# Altium PCB Fri3D_IRA_02.PcbDoc (part 2 of 2)
Units mm, origin at the board's own origin, x right, y up, seen from the top; angles counter-clockwise.
Board outline 68.5 x 67.5 mm, 2 copper layers (Top Layer, Bottom Layer), stack 1.571 mm thick; 98 components, 74 nets, 350 pads, 73 vias.
Unrouted connection lines stored in the file: 3.
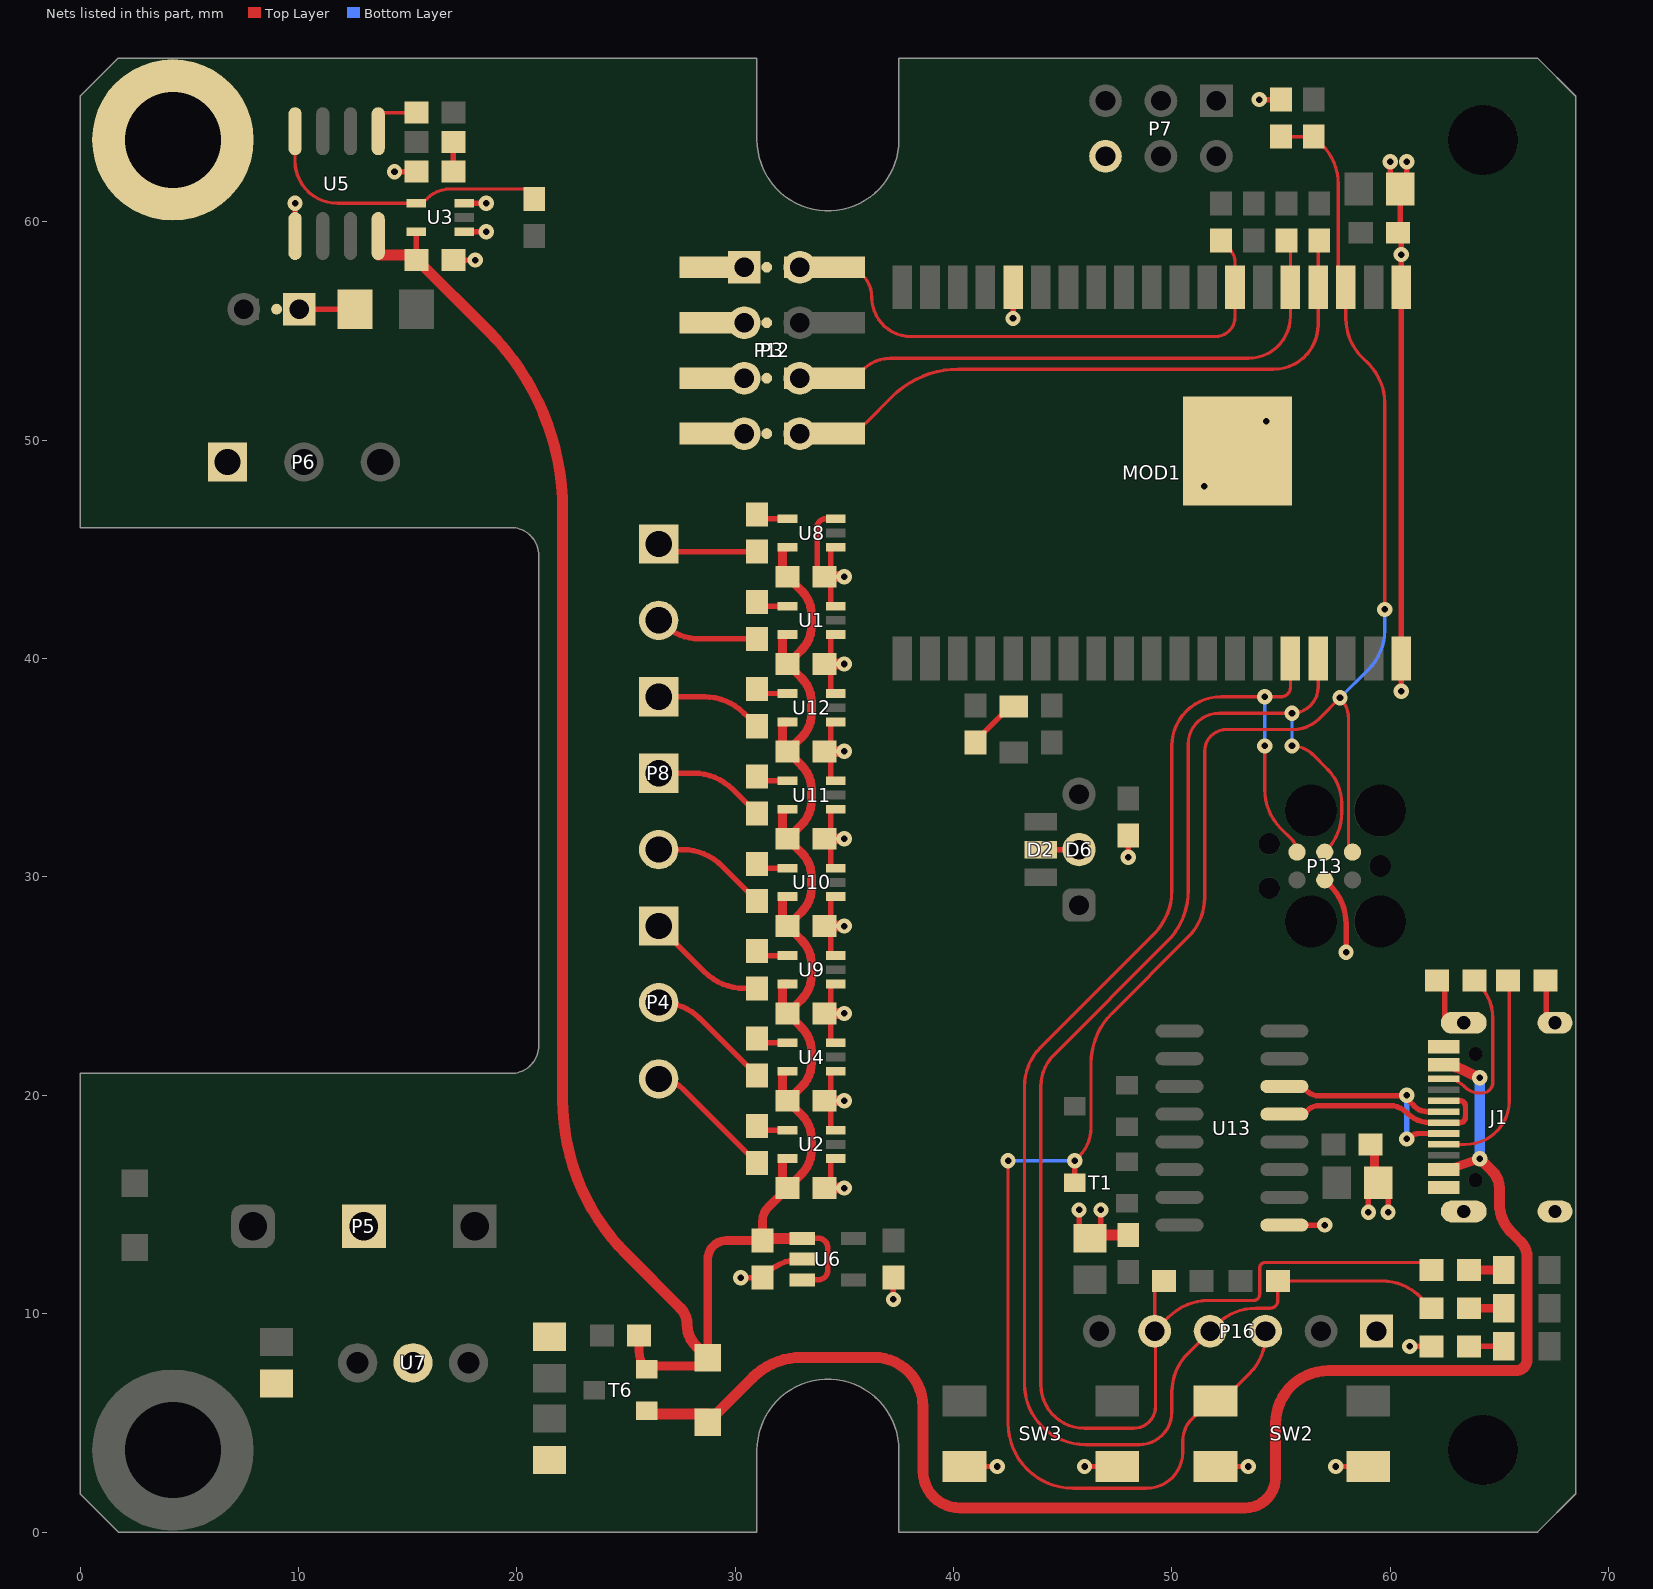
[diagram p2: the nets of this part, all layers, seen from the top]

## Via types
v1: diameter 0.7, hole 0.3, Top Layer to Bottom Layer, tented top, 73 vias

## Nets (pads, with @x,y where several pads share a name; then routed paths per layer and width w, separated by ;. In a path a pad name is that pad's centre, name@x,y a point inside that pad or via, vN(x,y) a via of type N, cw(c..) or ccw(c..) an arc to the next point about the centre after c; other vN are vias at no path point) (continued)
ESP.IO35: MOD1.7 P3.2 P11.2 P12.2 R6.2 | length 24.6
  Top Layer w0.15: P12.2@34.4,57.92 34.986,57.92 cw(c34.986,56.727) 35.829,57.571 cw(c34.793,56.534) 36.259,56.534 ccw(c38.043,56.534) 38.043,54.75 52,54.75 ccw(c52,55.638) 52.888,55.638 MOD1.7@52.888,57 52.888,58.15 ccw(c52.014,58.15) 52.781,58.569 ccw(c52.014,58.15) 52.632,58.768 R6.2@52.25,59.15
ESP.IO36: MOD1.4 P3.8 P12.8 P19.2 pad.0@34.4,50.3 R17.2 | length 29.7
  Top Layer w0.15: P3.8@32.96,50.3 P12.8@34.4,50.3 34.793,50.3 ccw(c34.793,52.007) 36,50.8 37.206,52.006 cw(c40.209,49.003) 40.209,53.25 54.658,53.25 ccw(c54.658,55.29) 56.698,55.29 MOD1.4@56.698,57 56.698,59.098 R17.2@56.75,59.15
ESP.IO39: MOD1.5 P3.6 P12.6 P18.2 R12.2 | length 25.9
  Top Layer w0.15: P12.6@34.4,52.84 34.903,52.84 ccw(c34.903,54.205) 35.869,53.24 cw(c37.1,52.008) 37.1,53.75 53.5,53.75 ccw(c53.5,55.678) 55.428,55.678 MOD1.5@55.428,57 55.428,58.972 R12.2@55.25,59.15
ESP.RESET: C8.1 MOD1.3 P13.1 P16.3 R8.2 SW2.1 T1.3 | length 98.3
  Top Layer w0.15: v1(42.5,17) 42.5,4.984 ccw(c45.484,4.984) 45.484,2 48.838,2 ccw(c48.838,3.662) 50.5,3.662 50.5,4.158 cw(c51.966,4.158) 50.929,5.194 51.548,5.813 cw(c52,5.361) SW2.1@52,6 52.3,6 53.546,7.246 ccw(c51.75,9.042) 54.29,9.042 P16.3@54.29,9.2 ; v1(45.55,17) 45.756,17.206 ccw(c44.443,18.519) 46.3,18.519 46.3,21.465 cw(c49.523,21.465) 47.244,23.744 50.756,27.256 ccw(c48.96,29.052) 51.5,29.052 51.5,35.75 cw(c52.5,35.75) 52.5,36.75 55.551,36.75 ccw(c55.551,38.437) 56.748,37.248 v1(57.7,38.2) cw(c56.754,37.254) 58.092,37.254 58.092,31.564 ccw(c58.7,31.564) P13.1@58.27,31.135 ; C8.1@55,63.9 R8.2@56.5,63.9 56.881,63.519 cw(c55.085,61.723) 57.5,62.51 cw(c55.085,61.723) 57.625,61.723 57.625,57.828 ccw(c58.796,57.828) 57.75,57.302 ccw(c58.796,57.828) MOD1.3@57.968,57 57.968,55.584 ccw(c60.508,55.584) 58.712,53.788 59.006,53.494 cw(c57.21,51.698) 59.75,51.698 v1(59.75,42.25)
  Top Layer w0.25: T1.3@45.55,16 v1(45.55,17)
  Bottom Layer w0.15: v1(42.5,17) v1(45.55,17) ; v1(57.7,38.2) 59.006,39.506 ccw(c57.21,41.302) 59.75,41.302 v1(59.75,42.25)
ESP.RXD0: MOD1.34 P13.5 P16.4 R14.2 R26.2 | length 73.1
  Top Layer w0.15: v1(54.25,36) 54.25,34.014 ccw(c56.79,34.014) 54.994,32.218 55.484,31.728 cw(c54.891,31.135) P13.5@55.73,31.135 ; MOD1.34@55.428,40 55.428,38.683 cw(c54.995,38.683) 54.995,38.25 v1(54.25,38.25) 52.25,38.25 ccw(c52.25,36) 50,36 50,29.363 cw(c47.21,29.363) 49.183,27.39 43.994,22.201 ccw(c45.79,20.405) 43.25,20.405 43.25,6.79 ccw(c46.04,6.79) 46.04,4 48.5,4 ccw(c48.5,5.5) 50,5.5 50,6.398 cw(c52.54,6.398) 50.744,8.194 P16.4@51.75,9.2 52.056,9.506 cw(c53.852,7.71) 53.852,10.25 54.5,10.25 ccw(c54.5,10.6) 54.85,10.6 R14.2@54.85,11.5 59.598,11.5 cw(c59.598,8.96) 61.394,10.756 R26.2@61.9,10.25
  Bottom Layer w0.15: v1(54.25,36) v1(54.25,38.25)
ESP.TXD0: MOD1.35 P13.3 P16.5 R15.2 R20.2 | length 76.2
  Top Layer w0.15: R15.2@49.65,11.5 ccw(c49.65,11.06) 49.21,11.06 P16.5@49.21,9.2 ; v1(55.5,36) cw(c55.5,34.661) 56.447,35.608 57.127,34.928 cw(c55.547,33.348) 57.782,33.348 57.782,32.968 cw(c55.242,32.968) 57.038,31.172 P13.3@57,31.135 ; MOD1.35@56.698,40 56.698,38.698 cw(c55.5,38.698) v1(55.5,37.5) 52.164,37.5 ccw(c52.164,36.086) 50.75,36.086 50.75,29.378 cw(c47.423,29.378) 49.776,27.026 44.59,21.84 ccw(c46.015,20.416) 44,20.416 44,6.75 ccw(c46,6.75) 46,4.75 48.25,4.75 ccw(c48.25,5.75) 49.25,5.75 49.25,9.16 P16.5@49.21,9.2 ; R20.2@61.9,12 ccw(c61.552,12) 61.552,12.347 54.278,12.347 ccw(c54.278,12.089) 54.02,12.089 54.02,10.892 cw(c53.727,10.892) 53.727,10.599 51.662,10.599 ccw(c51.662,8.059) 49.866,9.856 P16.5@49.21,9.2
  Bottom Layer w0.15: v1(55.5,36) v1(55.5,37.5)
GND: C1.2 C2.2 C3.2 C4.2 C5.2 C6.2 C7.2 C8.2 C9.2 C10.2 C11.2 C12.2 C13.2 C14.1 C15.2 C16.2 C17.2 C18.2 C19.2 C20.2 C21.2 C22.1 D2.2 D6.2 J1.A1 J1.A12 J1.B1 J1.B12 J1.MH1 J1.MH2 J1.MH3 J1.MH4 M2.1 MOD1.1 MOD1.15 MOD1.38 MOD1.39 P3.1 P3.3 P3.5 P3.7 P5.2 P6.1 P7.6 P9.1 P11.1 P12.1 P12.3 P12.5 P12.7 P13.4 P16.1 P17.1 P18.1 P19.1 pad.0@29,50.3 R5.2 R16.2 R27.2 R28.2 SW2.2 SW3.2 U1.1 U1.3 U2.1 U2.3 U3.1 U3.3 U4.1 U4.3 U5.5 U6.2 U7.2 U8.1 U8.3 U9.1 U9.3 U10.1 U10.3 U11.1 U11.3 U12.1 U12.3 U13.1 | length 104.8
  Top Layer w0.25: U5.5@9.845,59.35 v1(9.845,60.85) ; v1(14.4,62.3) R5.2@15.4,62.3 ; C5.2@17.1,58.25 v1(18.1,58.25) ; U3.1@17.6,59.55 v1(18.6,59.55) ; U3.3@17.6,60.85 v1(18.6,60.85) ; v1(30.25,11.65) C18.2@31.25,11.65 31.41,11.81 cw(c33.075,10.146) U6.2@33.075,12.5 ; C3.2@34.1,15.75 34.379,15.75 34.379,17.1 U2.1@34.6,17.1 ; C4.2@34.1,19.75 34.379,19.75 34.379,18.4 U2.3@34.6,18.4 ; C4.2@34.1,19.75 34.379,19.75 34.379,21.1 U4.1@34.6,21.1 ; C2.2@34.1,39.75 34.379,39.75 34.379,38.4 U12.3@34.6,38.4 ; C2.2@34.1,39.75 34.379,39.75 34.379,41.1 U1.1@34.6,41.1 ; U4.3@34.6,22.4 34.379,22.4 C12.2@34.379,23.75 ; U9.1@34.6,25.1 34.379,25.1 C12.2@34.379,23.75 ; U9.3@34.6,26.4 34.379,26.4 C16.2@34.379,27.75 ; U10.1@34.6,29.1 34.379,29.1 C16.2@34.379,27.75 ; U10.3@34.6,30.4 34.379,30.4 C17.2@34.379,31.75 ; U11.1@34.6,33.1 34.379,33.1 C17.2@34.379,31.75 ; U11.3@34.6,34.4 34.379,34.4 C20.2@34.379,35.75 ; U12.1@34.6,37.1 34.379,37.1 C20.2@34.379,35.75 ; U1.3@34.6,42.4 34.379,42.4 C11.2@34.379,43.75 ; U8.1@34.6,45.1 34.379,45.1 C11.2@34.379,43.75 ; U8.3@34.6,46.4 34.15,46.4 ccw(c34.15,46) 33.75,46 33.75,43.75 C11.2@34.1,43.75 ; v1(37.25,10.65) C19.2@37.25,11.65 ; SW3.2@40.5,3 v1(42,3) ; v1(42.725,55.575) 42.728,55.578 MOD1.15@42.728,57 ; D2.2@44,31.25 D6.2@45.75,31.25 ; v1(45.75,14.75) 45.75,13.75 C14.1@46.029,13.471 ; v1(46,3) SW3.2@47.5,3 ; C14.1@46.25,13.45 46.4,13.6 46.75,13.95 v1(46.75,14.75) ; v1(48,30.9) C7.2@48,31.9 ; SW2.2@52,3 v1(53.5,3) ; v1(54,65.6) C8.2@55,65.6 ; U13.1@55.15,14.055 v1(57,14.055) ; P13.4@57,29.865 57.233,29.631 cw(c55.437,27.835) 57.977,27.835 v1(57.977,26.555) ; v1(57.5,3) SW2.2@59,3 ; v1(59,14.65) 59,15.55 C22.1@59.45,16 ; C22.1@59.284,16.166 C22.1@59.45,16 ; v1(59.9,14.65) 59.9,15.55 C22.1@59.45,16 ; v1(60,62.75) C10.2@60,61.75 ; C10.2@60.427,61.573 ccw(c60,61.146) C10.2@60,61.75 ; C10.2@60.427,61.573 60.5,61.5 60.75,61.75 v1(60.75,62.75) ; v1(60.508,38.5) MOD1.38@60.508,40 MOD1.1@60.508,57 v1(60.508,58.5) 60.508,59.118 ccw(c59.968,59.118) C9.2@60.35,59.5 ccw(c60.108,59.742) 60.45,59.742 C10.2@60.45,61.5 60.341,61.609 ccw(c60,61.267) C10.2@60,61.75 ; v1(60.9,8.5) R16.2@61.9,8.5 ; R28.2@62.15,25.25 62.5,24.9 62.5,23.32 J1.MH4@63.118,23.32 ; R27.2@67.15,25.2 67.15,23.676 ccw(c67.653,23.676) J1.MH3@67.298,23.32 ; C11.2@34.1,43.75 C11.2@34.379,43.75 ; C11.2@34.1,43.75 C11.2@34.379,43.75 ; C12.2@34.379,23.75 C12.2@34.1,23.75 C12.2@34.379,23.75 ; C16.2@34.379,27.75 C16.2@34.1,27.75 C16.2@34.379,27.75 ; C17.2@34.379,31.75 C17.2@34.1,31.75 C17.2@34.379,31.75 ; C20.2@34.379,35.75 C20.2@34.1,35.75 C20.2@34.379,35.75
  Top Layer w0.4: C21.2@59.1,17.75 59.284,17.75 C22.1@59.284,16.166
  Top Layer w0.5: C3.2@34.1,15.75 v1(35,15.75) ; C4.2@34.379,19.75 v1(35,19.75) ; C12.2@34.379,23.75 v1(35,23.75) ; C16.2@34.379,27.75 v1(35,27.75) ; C17.2@34.379,31.75 v1(35,31.75) ; C20.2@34.379,35.75 v1(35,35.75) ; C2.2@34.379,39.75 v1(35,39.75) ; C11.2@34.379,43.75 v1(35,43.75) ; C14.1@46.25,13.45 cw(c46.4,13.45) 46.4,13.6 C13.2@48,13.6
  other v1: 51.475,47.9 54.325,50.875
LED.DOUT0: P4.3 R2.2 | length 6
  Top Layer w0.25: P4.3@26.5,20.75 cw(c26.5,19.181) 27.609,20.291 R2.2@31,16.9
LED.DOUT1: P4.2 R3.2 | length 5.8
  Top Layer w0.25: P4.2@26.5,24.25 26.598,24.25 cw(c26.598,21.71) 28.394,23.506 R3.2@31,20.9
LED.DOUT2: P4.1 R22.2 | length 5.6
  Top Layer w0.25: P4.1@26.5,27.75 28.606,25.644 ccw(c30.402,27.44) 30.402,24.9 R22.2@31,24.9
LED.DOUT3: P1.2 P8.3 R23.2 | length 5.4
  Top Layer w0.25: P1.2@26.5,31.25 27.598,31.25 cw(c27.598,28.71) 29.394,30.506 R23.2@31,28.9
LED.DOUT4: P1.1 P8.2 R24.2 | length 5.2
  Top Layer w0.25: P1.1@26.5,34.75 28.098,34.75 cw(c28.098,32.21) 29.894,34.006 R24.2@31,32.9
LED.DOUT5: P8.1 R25.2 | length 5
  Top Layer w0.25: P8.1@26.5,38.25 28.598,38.25 cw(c28.598,35.71) 30.394,37.506 R25.2@31,36.9
LED.DOUT6: P10.2 R9.2 | length 4.7
  Top Layer w0.25: P10.2@26.5,41.75 26.606,41.644 ccw(c28.402,43.44) 28.402,40.9 R9.2@31,40.9
LED.DOUT7: P10.1 R10.2 | length 4.6
  Top Layer w0.25: P10.1@26.5,45.25 ccw(c27.345,46.095) 27.345,44.9 R10.2@31,44.9
NetD3_2: D3.2 R20.1 | length 1.6
  Top Layer w0.4: R20.1@63.6,12 D3.2@65.2,12
NetD4_2: D4.2 R26.1 | length 1.6
  Top Layer w0.4: R26.1@63.6,10.25 D4.2@65.2,10.25
NetD7_2: D7.2 R13.1 | length 2.5
  Top Layer w0.25: R13.1@41,36.15 41,36.228 42.645,37.873 42.677,37.873 D7.2@42.75,37.8
NetD10_2: D10.2 R16.1 | length 1.6
  Top Layer w0.25: R16.1@63.6,8.5 D10.2@65.2,8.5
NetJ1_A5: J1.A5 R27.1 | length 9.8
  Top Layer w0.15: J1.A5@62.203,17.75 63.446,17.75 ccw(c63.446,19.754) 65.45,19.754 R27.1@65.45,25.2
NetJ1_B5: J1.B5 R28.1 | length 8.1
  Top Layer w0.15: J1.B5@62.452,20.75 62.202,20.75 62.555,20.75 cw(c62.555,19.555) 63.4,20.4 63.417,20.383 ccw(c64.1,21.066) 64.1,20.1 64.2,20.1 ccw(c64.2,20.6) 64.7,20.6 64.7,23.537 ccw(c62.597,23.537) 63.913,25.178 63.85,25.2 R28.1@63.85,25.25
NetP14_1: P14.1 P15.1 R19.1 | length 2.6
  Top Layer w0.25: P15.1@10.04,56 R19.1@12.6,56
NetR1_1: R1.1 U5.1 | length 2.6
  Top Layer w0.15: U5.1@13.655,64.15 13.655,65 R1.1@15.4,65
NetR2_1: R2.1 U2.4 | length 1.6
  Top Layer w0.25: R2.1@31,18.6 31,18.4 U2.4@32.4,18.4
NetR3_1: R3.1 U4.4 | length 1.6
  Top Layer w0.25: R3.1@31,22.6 31,22.4 U4.4@32.4,22.4
NetR4_2: R4.2 R5.1 | length 1.4
  Top Layer w0.25: R5.1@17.1,62.3 R4.2@17.1,63.65
NetR9_1: R9.1 U1.4 | length 1.6
  Top Layer w0.25: R9.1@31,42.6 31,42.4 U1.4@32.4,42.4
NetR10_1: R10.1 U8.4 | length 1.6
  Top Layer w0.25: R10.1@31,46.6 31,46.4 U8.4@32.4,46.4
NetR18_2: R18.2 U3.4 U5.4 | length 13.9
  Top Layer w0.15: U5.4@9.845,64.15 9.845,62.791 ccw(c11.786,62.791) 11.786,60.85 U3.4@15.4,60.85 ccw(c15.4,61.51) 15.867,61.043 15.89,61.067 cw(c16.936,60.021) 16.936,61.5 20.614,61.5 R18.2@20.8,61.05
NetR22_1: R22.1 U9.4 | length 1.6
  Top Layer w0.25: R22.1@31,26.6 31,26.4 U9.4@32.4,26.4
NetR23_1: R23.1 U10.4 | length 1.6
  Top Layer w0.25: R23.1@31,30.6 31,30.4 U10.4@32.4,30.4
NetR24_1: R24.1 U11.4 | length 1.6
  Top Layer w0.25: R24.1@31,34.6 31,34.4 U11.4@32.4,34.4
NetR25_1: R25.1 U12.4 | length 1.6
  Top Layer w0.25: R25.1@31,38.6 31,38.4 U12.4@32.4,38.4
USB.D_n: J1.A7 J1.B7 U13.6 | length 11
  Top Layer w0.25: U13.6@55.15,20.405 55.693,20.405 cw(c55.693,19.705) 56.188,20.2 ccw(c56.731,20.743) 56.731,19.975 60.725,19.975 ccw(c60.725,20) v1(60.75,20) ccw(c61.112,20) 60.856,19.744 61.1,19.5 ccw(c61.704,20.104) 61.704,19.25 J1.A7@62.203,19.25 ; v1(60.75,18) cw(c61.354,17.396) 61.354,18.25 J1.B7@62.203,18.25
  Bottom Layer w0.25: v1(60.75,18) v1(60.75,20)
USB.D_p: J1.A6 J1.B6 U13.5 | length 10.6
  Top Layer w0.25: U13.5@55.15,19.135 55.802,19.135 ccw(c55.802,19.698) 56.2,19.3 cw(c56.743,18.757) 56.743,19.525 59.992,19.525 cw(c59.992,18.453) 60.75,19.211 ; 60.784,19.18 ccw(c61.822,20.218) 61.822,18.75 63.194,18.75 ccw(c63.194,19.002) 63.446,19.002 63.446,19.5 ccw(c63.196,19.5) 63.196,19.75 J1.B6@62.203,19.75
VSYS: C2.1 C3.1 C4.1 C5.1 C11.1 C12.1 C16.1 C17.1 C18.1 C20.1 D13.C R21.1 T6.2 U1.5 U2.5 U3.5 U4.5 U5.8 U6.1 U6.3 U8.5 U9.5 U10.5 U11.5 U12.5 | length 127.4
  Top Layer w0.25: C5.1@15.4,58.307 U3.5@15.4,59.55 ; U6.3@33.075,11.55 33.8,11.55 ccw(c33.8,12) 34.25,12 34.25,13 ccw(c33.8,13) 33.8,13.45 U6.1@33.075,13.45
  Top Layer w0.4: R21.1@25.6,9 25.6,8.295 ccw(c26.795,8.295) T6.2@25.95,7.45 25.95,7.6 28.375,7.6 D13.C@28.75,7.975 ; D13.C@28.75,8 28.75,12.5 cw(c29.6,12.5) 29.6,13.35 C18.1@31.25,13.35 31.25,14.25 cw(c32.095,14.25) 31.497,14.847 C3.1@32.4,15.75 ; U2.5@32.4,17.1 32.165,17.1 32.165,15.75 C3.1@32.4,15.75 ; U4.5@32.4,21.1 32.165,21.1 32.165,19.75 C4.1@32.4,19.75 ; U9.5@32.4,25.1 32.165,25.1 32.165,23.75 C12.1@32.4,23.75 ; U10.5@32.4,29.1 32.165,29.1 32.165,27.75 C16.1@32.4,27.75 ; U11.5@32.4,33.1 32.165,33.1 32.165,31.75 C17.1@32.4,31.75 ; U12.5@32.4,37.1 32.165,37.1 32.165,35.75 C20.1@32.4,35.75 ; U1.5@32.4,41.1 32.165,41.1 32.165,39.75 C2.1@32.4,39.75 ; U8.5@32.4,45.1 32.165,45.1 32.165,43.75 C11.1@32.4,43.75 33.04,43.109 cw(c31.931,42) 33.5,42 33.5,41.5 cw(c31.931,41.5) 33.04,40.39 C2.1@32.4,39.75 ; C3.1@32.4,15.75 33.04,16.39 ccw(c31.931,17.5) 33.5,17.5 33.5,18 ccw(c31.931,18) 33.04,19.109 C4.1@32.4,19.75 ; C4.1@32.4,19.75 33.04,20.39 ccw(c31.931,21.5) 33.5,21.5 33.5,22 ccw(c31.931,22) 33.04,23.109 C12.1@32.4,23.75 ; C12.1@32.4,23.75 33.04,24.39 ccw(c31.931,25.5) 33.5,25.5 33.5,26 ccw(c31.931,26) 33.04,27.109 C16.1@32.4,27.75 ; C16.1@32.4,27.75 33.04,28.39 ccw(c31.931,29.5) 33.5,29.5 33.5,30 ccw(c31.931,30) 33.04,31.109 C17.1@32.4,31.75 ; C17.1@32.4,31.75 33.04,32.39 ccw(c31.931,33.5) 33.5,33.5 33.5,34 ccw(c31.931,34) 33.04,35.109 C20.1@32.4,35.75 ; C20.1@32.4,35.75 33.04,36.39 ccw(c31.931,37.5) 33.5,37.5 33.5,38 ccw(c31.931,38) 33.04,39.109 C2.1@32.4,39.75
  Top Layer w0.5: U5.8@13.655,59.35 13.655,58.475 15.232,58.475 C5.1@15.4,58.307 ; C5.1@15.4,58.25 cw(c15.4,58.129) 15.485,58.215 18.701,54.999 cw(c10.495,46.793) 22.1,46.793 22.1,19.808 ccw(c32.137,19.808) 25.04,12.71 27.482,10.268 cw(c26.714,9.5) 27.8,9.5 ccw(c29.188,9.5) 28.207,8.518 D13.C@28.75,7.975 ; R21.1@25.5,9 R21.1@25.6,9 ; C18.1@31.25,13.35 C18.1@31.35,13.45 ; C18.1@31.55,13.45 U6.1@33.075,13.45
VUSB: D13.A J1.A4 J1.A9 J1.B4 J1.B9 T6.1 | length 70
  Top Layer w0.25: J1.B9@62.203,16.75 62.326,16.686 62.399,16.647 62.522,16.583 62.549,16.569 J1.A4@62.681,16.5 ; J1.A9@62.203,21.55 62.288,21.523 62.43,21.479 62.516,21.452 J1.B4@63,21.3
  Top Layer w0.4: J1.A4@62.549,16.569 63.005,16.725 v1(64.1,17.1)
  Top Layer w0.5: T6.1@25.95,5.55 25.95,5.4 28.75,5.4 D13.A@28.75,4.962 ; D13.A@28.75,5.025 30.787,7.062 cw(c33.052,4.796) 33.052,8 36.35,8 cw(c36.35,5.75) 38.6,5.75 38.6,2.8 ccw(c40.3,2.8) 40.3,1.1 53.35,1.1 ccw(c53.35,2.5) 54.75,2.5 54.75,4.96 cw(c57.18,4.96) 57.18,7.39 65.757,7.39 ccw(c65.757,7.9) 66.266,7.9 66.266,12.6 ccw(c65.285,12.6) 65.979,13.294 65.547,13.726 cw(c66.867,15.046) 65,15.046 65,15.744 ccw(c63.899,15.744) 64.678,16.522 v1(64.1,17.1) ; J1.B4@63,21.3 63,21.321 v1(64.1,20.8)
  Bottom Layer w0.5: v1(64.1,17.1) v1(64.1,20.8)
pads on no net: J1.0 J1.A8 J1.B8 MOD1.32 P7.5 P13.0 P16.2 SW2.3 SW3.3 U6.4 U13.7 U13.8 U13.9 U13.10 U13.11 U13.12 U13.15

## Polygon pours and split planes (outlines as drawn)
GND on Bottom Layer "B_GND" (solid, remove dead copper, pour order 0): 0,67.5 68.5,67.5 68.5,0 0,0

## Keep-outs
Keep-Out Layer:
  circle w0.254: c64.25,63.75 r3
  circle w0.254: c64.25,3.75 r3
  region: 61.65,36.5 61.65,35.94 ccw(c64.19,35.94) 64.19,33.4 68.5,33.4 68.5,36.5
  region: 61.65,39.5 61.65,67.5 68.5,67.5 68.5,36.5 61.65,36.5

## Other copper
Top Layer:
  region net GND: 61.45,21.9 61.45,22.334 cw(c62.816,22.334) 61.85,23.3 62.209,23.659 cw(c62.55,23.317) 62.55,23.8 63.65,23.8 cw(c63.65,23.3) 64.15,23.3 cw(c63.65,23.3) 63.65,22.8 63.35,22.8 ccw(c63.35,22.4) 62.95,22.4 62.95,21.9
  region net GND: 61.45,16.1 61.45,15.666 ccw(c62.816,15.666) 61.85,14.7 62.209,14.341 ccw(c62.55,14.683) 62.55,14.2 63.65,14.2 ccw(c63.65,14.7) 64.15,14.7 ccw(c63.65,14.7) 63.65,15.2 63.35,15.2 cw(c63.35,15.6) 62.95,15.6 62.95,16.1
  region net ESP.IO35: 32.645,58.92 32.755,58.92 cw(c32.755,57.925) 33.75,57.925 cw(c32.745,57.925) 32.745,56.92 32.645,56.92 cw(c32.645,57.29) 32.275,57.29 32.275,58.075
  region net ESP.IO34: 32.645,56.38 32.755,56.38 cw(c32.755,55.385) 33.75,55.385 cw(c32.745,55.385) 32.745,54.38 32.645,54.38 cw(c32.645,54.75) 32.275,54.75 32.275,55.535
  region net ESP.IO39: 32.645,53.84 32.755,53.84 cw(c32.755,52.845) 33.75,52.845 cw(c32.745,52.845) 32.745,51.84 32.645,51.84 cw(c32.645,52.21) 32.275,52.21 32.275,52.995
  region net GND: 30.845,51.3 30.07,51.3 ccw(c30.07,50.755) 29.525,50.755 29.525,50.3 31.445,50.3
  region net GND: 30.845,49.29 30.07,49.3 cw(c30.07,49.845) 29.525,49.845 29.525,50.3 31.445,50.3
  region net GND: 30.845,58.92 30.07,58.92 ccw(c30.07,58.375) 29.525,58.375 29.525,57.92 31.445,57.92
  region net GND: 30.845,56.91 30.07,56.92 cw(c30.07,57.465) 29.525,57.465 29.525,57.92 31.445,57.92
  region net GND: 30.845,53.84 30.07,53.84 ccw(c30.07,53.295) 29.525,53.295 29.525,52.84 31.445,52.84
  region net GND: 30.845,51.83 30.07,51.84 cw(c30.07,52.385) 29.525,52.385 29.525,52.84 31.445,52.84
  region net GND: 30.845,54.37 30.07,54.38 cw(c30.07,54.925) 29.525,54.925 29.525,55.38 31.445,55.38
  region net GND: 30.845,56.38 30.07,56.38 ccw(c30.07,55.835) 29.525,55.835 29.525,55.38 31.445,55.38
  region net DMX.A: 7.815,55 7.705,55 cw(c7.705,55.995) 6.71,55.995 cw(c7.715,55.995) 7.715,57 7.815,57 cw(c7.815,56.63) 8.185,56.63 8.185,55.845
  region net NetP14_1: 9.6,55 10.375,55 ccw(c10.375,55.545) 10.92,55.545 10.92,56 9,56
  region net NetP14_1: 9.6,57.01 10.375,57 cw(c10.375,56.455) 10.92,56.455 10.92,56 9,56
  region net ESP.IO36: 32.645,51.3 32.755,51.3 cw(c32.755,50.305) 33.75,50.305 cw(c32.745,50.305) 32.745,49.3 32.645,49.3 cw(c32.645,49.67) 32.275,49.67 32.275,50.455
  region net VUSB: 63.15,21.7 63.45,21.321 63.45,21.1 60.85,21.1 60.85,21.7
  region net VUSB: 63.424,16.9 63.424,16.645 63.15,16.3 61.05,16.3 60.95,16.4 60.95,16.8 61.05,16.9
Bottom Layer:
  region net 3V3_ESP: 58.992,63.3 cw(c58.992,62.842) 59.45,62.842 cw(c58.383,62.842) 59.137,62.087 59.05,62 ccw(c59.774,61.276) 58.75,61.276 58.75,61 58.55,61 cw(c58.791,61.241) 58.45,61.241 58.45,63.3
  region net 3V3_ESP: 58.158,63.3 ccw(c58.158,62.842) 57.7,62.842 ccw(c58.767,62.842) 58.013,62.087 58.1,62 cw(c57.376,61.276) 58.4,61.276 58.4,61 58.6,61 ccw(c58.359,61.241) 58.7,61.241 58.7,63.3
  region: 2137 vertices and 5 holes, not listed, extent 22.025,14.572 24.9,24.969
  region: 27.979,2.1 27.979,2.117 27.962,2.117 27.962,2.083 27.979,2.082 27.997,2.082 27.997,2.1
  region: 570 vertices and 0 holes, not listed, extent 25.604,1.966 28.473,3.06
  region: 380 vertices and 0 holes, not listed, extent 28.014,2.099 29.473,4.162
  region: 638 vertices and 0 holes, not listed, extent 25.489,2.663 27.874,5.947
  region: 460 vertices and 0 holes, not listed, extent 27.529,4.069 29.531,5.872

## Silkscreen, mask and mechanical layers (free items; w line width, h text height)
Top Overlay:
  drawing of 60 lines, arcs and shapes, not listed
  text "+3V3 / IO26 / N.C." at 40.199,66.85 h2 r270
  text "IO21 / IO2 / GND" at 40.225,62.75 h2 r270
  text "GND" at 0.75,57.75 h3
  text "35" at 24.17,57.17 h2.5
  text "34" at 24.17,54.63 h2.5
  text "GND" at 4.75,52.75 h2
  text "A" at 8.75,52.75 h2
  text "B" at 11.75,52.75 h2
  text "39" at 24.17,52.09 h2.5
  text "36" at 24.17,49.55 h2.5
  text "33" at 21.25,46.5 h2.5 r270
  text "32" at 21.25,43 h2.5 r270
  text "27" at 21.25,39.5 h2.5 r270
  text "15" at 38.5,38.25 h2.5 r270
  text "25" at 21.25,36 h2.5 r270
  text "RST / Tx / Rx" at 62.949,35.6 h2 r270
  text "14" at 21.25,32.5 h2.5 r270
  text "+3V3 / GND / IO0" at 62.975,31.5 h2 r270
  text "5" at 47.25,30.628 h2.5 r270
  text "12" at 21.25,29 h2.5 r270
  text "04" at 21.25,25.5 h2.5 r270
  text "02" at 21.25,22 h2.5 r270
  text "+5V" at 5.779,20.142 h2.5 r315
  text "GND" at 10.859,20.142 h2.5 r315
  text "+12V" at 15.939,20.142 h2.5 r315
  text "Bo" at 47.549,10.175 h0.8 r270
  text "Rx" at 52.629,10.175 h0.8 r270
  text "Re" at 55.169,10.175 h0.8 r270
  text "Tx" at 50.129,10.135 h0.8 r270
  text "+12V" at 0.75,7.75 h3
  text "BOOT" at 39.95,0.365 h2.5
  text "RESET" at 51.45,0.365 h2.5
Bottom Overlay:
  drawing of 108 lines, arcs and shapes, not listed
  text "I²S" at 43.223,58.05 h3 r270
  text "I²C" at 58.473,58.05 h3 r270
  text "SD = IO21 / SW  = IO22 / SCK = IO26" at 39.228,57.25 h2 r270
  text "SCL = IO22 / SDA  = IO21" at 55.5,57.25 h2 r270
  text "RS-485" at 24.014,57.05 h3 r270
  text "Rx = IO23 / Tx = IO13 / REn = IO18 / TE = IO19" at 18.699,56.4 h2 r270
  text "GND" at 46.175,53.9 h2 r270
  text "IO22" at 48.715,53.9 h2 r270
  text "IO21" at 51.255,53.9 h2 r270
  text "TERM" at 11.16,53.841 h2 r270
  text "N.C." at 47.445,53.265 h2 r270
  text "IO26" at 49.985,53.265 h2 r270
  text "+3V3" at 52.525,53.265 h2 r270
  text "A" at 8.715,50.27 h2 r270
  text "B" at 13.795,50.27 h2 r270
  text "- -  GND  - -" at 27.96,49.925 h2 r270
  text "IO36-39-34-35" at 34.28,48.803 h2 r270
  text "DMX" at 11.255,46.96 h3 r270
  text "GND" at 4.04,44.95 h2 r270
  text "ID :" at 66.225,39.15 h2.8 r270
  text "+3V3" at 43.06,29.74 h2 r270
  text "IR" at 41.155,27.2 h3 r270
  text "GND" at 46.743,27.2 h2 r270
  text "IO5" at 43.06,24.66 h2 r270
  text ".PCB_TITLE Rev. .PCB_Rev" at 32.025,16.375 h3 r270
  text "Wim" at 1.15,16.025 h2 r261
  text "GND" at 10.28,11.738 h2 r270
  text "+5V" at 5.2,10.595 h2 r270
  text "PWR" at 14.725,10.595 h3 r270
  text "+12V" at 19.17,10.595 h2 r270
  text "IO0" at 45.885,10.346 h2 r270
  text "TXD" at 48.425,10.346 h2 r270
  text "RXD" at 50.965,10.346 h2 r270
  text "RSTn" at 53.505,10.346 h2 r270
  text "X" at 56.045,10.346 h2 r270
  text "GND" at 58.585,10.346 h2 r270
  text "PROG" at 60.895,5.854 h3 r270
Route Tool Path:
  lines w0.1: 68.5,65.75 66.75,67.5 37.5,67.5 37.5,63.75 cw(c34.25,63.75) 31,63.75 31,67.5 1.75,67.5 0,65.75 0,46 19.73,46 cw(c19.73,44.73) 21,44.73 21,22.27 cw(c19.73,22.27) 19.73,21 0,21 0,1.75 1.75,0 31,0 31,3.75 cw(c34.25,3.75) 37.5,3.75 37.5,0 66.75,0 68.5,1.75 68.5,65.75 ; 68.5,65.75 68.5,65.75
Fabrication:
  text "1.6mm Thickness" at -59,-23.5 h1.5
Stencil:
  region: 173.5,123 ccw(c176,123) 176,120.5 ccw(c176,123) 178.5,123 ccw(c176,123) 176,125.5 ccw(c176,123)
  region: 173.5,83 ccw(c176,83) 176,80.5 ccw(c176,83) 178.5,83 ccw(c176,83) 176,85.5 ccw(c176,83)
  region: 173.5,13.5 ccw(c176,13.5) 176,11 ccw(c176,13.5) 178.5,13.5 ccw(c176,13.5) 176,16 ccw(c176,13.5)
  region: 173.5,53.5 ccw(c176,53.5) 176,51 ccw(c176,53.5) 178.5,53.5 ccw(c176,53.5) 176,56 ccw(c176,53.5)
  lines w0.15: -28.5,-24.5 -28.5,155.5 195,155.5 195,-24.5 -28.5,-24.5
Frame:
  drawing of 15 lines, arcs and shapes, not listed
  text "Document" at 232.402,-31.311 h2
  text ".PCB_TITLE" at 233.902,-36.811 h3.2
  text "Layer Name" at 232.402,-41.311 h2
  text "<DISABLED>" at 236.902,-46.311 h3.5
  text "Date" at 232.402,-51.311 h2
  text "Rev" at 272.402,-51.311 h2
  text ".Print_Date" at 235.402,-56.811 h3.5
  text ".PCB_REV" at 276.902,-56.811 h4
  text "Desginer" at 182.402,-61.311 h2
  text "Document" at 232.402,-61.311 h2
  text ".Pcb_File_Name_No_Path" at 233.902,-66.311 h1.5
  text ".PCB_ENGINEER" at 186.902,-66.811 h4
Drill Drawing:
  circle w0.15: c91.59,179.444 r0.267
  circle w0.15: c91.59,179.444 r0.444
  circle w0.15: c91.59,165.444 r0.444
  lines w0.15: 90.343,162.4 224.126,162.4 ; 90.343,186.4 224.126,186.4 ; 97.741,160.4 97.741,188.4 ; 105.639,160.4 105.639,188.4 ; 121.002,160.4 121.002,188.4 ; 127.8,160.4 127.8,188.4 ; 137.637,160.4 137.637,188.4 ; 157.665,160.4 157.665,188.4 ; 165.583,160.4 165.583,188.4 ; 175.58,160.4 175.58,188.4 ; 190.809,160.4 190.809,188.4 ; 205.371,160.4 205.371,188.4 ; 90.343,160.4 224.126,160.4 224.126,188.4 90.343,188.4 90.343,160.4 ; 91.146,163 92.034,163 92.034,163.889 91.146,163.889 91.146,163 ; 91.146,167.222 91.368,167.222 91.59,167 91.812,167.222 92.034,167.222 91.812,167.444 92.034,167.667 91.812,167.667 91.59,167.889 91.368,167.667 91.146,167.667 91.368,167.444 91.146,167.222 ; 91.146,169 91.59,169.222 92.034,169 91.812,169.444 92.034,169.889 91.59,169.667 91.146,169.889 91.368,169.444 91.146,169 ; 91.146,171 91.146,171.222 91.368,171.444 91.146,171.667 91.146,171.889 91.368,171.889 91.59,171.667 91.812,171.889 92.034,171.889 92.034,171.667 91.812,171.444 92.034,171.222 92.034,171 91.812,171 91.59,171.222 91.368,171 91.146,171 ; 91.146,173 91.59,173.222 92.034,173 91.812,173.444 92.034,173.889 91.59,173.667 91.146,173.889 91.368,173.444 91.146,173 ; 91.146,175.222 91.368,175.222 91.59,175 91.812,175.222 92.034,175.222 91.812,175.444 92.034,175.667 91.812,175.667 91.59,175.889 91.368,175.667 91.146,175.667 91.368,175.444 91.146,175.222 ; 91.146,177.889 92.034,177.889 91.59,177 91.146,177.889 ; 91.146,181.444 91.59,181 92.034,181.444 91.59,181.889 91.146,181.444 ; 91.146,183.889 92.034,183.889 91.59,183 91.146,183.889 ; 91.146,185.222 91.368,185.222 91.368,185 91.812,185 91.812,185.222 92.034,185.222 92.034,185.667 91.812,185.667 91.812,185.889 91.368,185.889 91.368,185.667 91.146,185.667 91.146,185.222 ; 91.323,167.311 91.457,167.311 91.59,167.178 91.723,167.311 91.857,167.311 91.723,167.444 91.857,167.578 91.723,167.578 91.59,167.711 91.457,167.578 91.323,167.578 91.457,167.444 91.323,167.311 ; 91.323,169.178 91.59,169.311 91.857,169.178 91.723,169.444 91.857,169.711 91.59,169.578 91.323,169.711 91.457,169.444 91.323,169.178 ; 91.323,177.711 91.857,177.711 91.59,177.178 91.323,177.711
  text "Symbol" at 91.543,187 h0.96
  text "Count" at 98.341,187 h0.96
  text "Hole Size" at 106.239,187 h0.96
  text "Plated" at 121.602,187 h0.96
  text "Hole Type" at 128.4,187 h0.96
  text "Drill Layer Pair" at 138.237,187 h0.96
  text "Via/Pad" at 158.265,187 h0.96
  text "Pad Shape" at 166.183,187 h0.96
  text "Template" at 176.18,187 h0.96
  text "Hole Length" at 191.409,187 h0.96
  text "Routed Path Length" at 205.971,187 h0.96
  text "2" at 98.341,185 h0.8
  text "0.600mm (23.62mil)" at 106.239,185 h0.8
  text "PTH" at 121.602,185 h0.8
  text "Slot" at 128.4,185 h0.8
  text "Top Layer - Bottom Layer" at 138.237,185 h0.8
  text "Pad" at 158.265,185 h0.8
  text "Rounded" at 166.183,185 h0.8
  text "r100_160h60_120r50" at 176.18,185 h0.8
  text "1.200mm (47.24mil)" at 191.409,185 h0.8
  text "0.600mm (23.62mil)" at 205.971,185 h0.8
  text "2" at 98.341,183 h0.8
  text "0.600mm (23.62mil)" at 106.239,183 h0.8
  text "PTH" at 121.602,183 h0.8
  text "Slot" at 128.4,183 h0.8
  text "Top Layer - Bottom Layer" at 138.237,183 h0.8
  text "Pad" at 158.265,183 h0.8
  text "Rounded" at 166.183,183 h0.8
  text "r100_210h60_170r50" at 176.18,183 h0.8
  text "1.700mm (66.93mil)" at 191.409,183 h0.8
  text "1.100mm (43.31mil)" at 205.971,183 h0.8
  text "2" at 98.341,181 h0.8
  text "0.650mm (25.59mil)" at 106.239,181 h0.8
  text "NPTH" at 121.602,181 h0.8
  text "Round" at 128.4,181 h0.8
  text "Top Layer - Bottom Layer" at 138.237,181 h0.8
  text "Pad" at 158.265,181 h0.8
  text "Rounded" at 166.183,181 h0.8
  text "c65hn65" at 176.18,181 h0.8
  text "-" at 191.409,181 h0.8
  text "-" at 205.971,181 h0.8
  text "2" at 98.341,179 h0.8
  text "3.200mm (125.98mil)" at 106.239,179 h0.8
  text "NPTH" at 121.602,179 h0.8
  text "Round" at 128.4,179 h0.8
  text "Top Layer - Bottom Layer" at 138.237,179 h0.8
  text "Pad" at 158.265,179 h0.8
  text "Rounded" at 166.183,179 h0.8
  text "c320hn320m620" at 176.18,179 h0.8
  text "-" at 191.409,179 h0.8
  text "-" at 205.971,179 h0.8
  text "2" at 98.341,177 h0.8
  text "4.400mm (173.23mil)" at 106.239,177 h0.8
  text "NPTH" at 121.602,177 h0.8
  text "Round" at 128.4,177 h0.8
  text "Top Layer - Bottom Layer" at 138.237,177 h0.8
  text "Pad" at 158.265,177 h0.8
  text "Rounded" at 166.183,177 h0.8
  text "c740hn440z0x0" at 176.18,177 h0.8
  text "-" at 191.409,177 h0.8
  text "-" at 205.971,177 h0.8
  text "3" at 98.341,175 h0.8
  text "0.991mm (39.02mil)" at 106.239,175 h0.8
  text "NPTH" at 121.602,175 h0.8
  text "Round" at 128.4,175 h0.8
  text "Top Layer - Bottom Layer" at 138.237,175 h0.8
  text "Pad" at 158.265,175 h0.8
  text "Rounded" at 166.183,175 h0.8
  text "c99hn99m119" at 176.18,175 h0.8
  text "-" at 191.409,175 h0.8
  text "-" at 205.971,175 h0.8
  text "3" at 98.341,173 h0.8
  text "1.000mm (39.37mil)" at 106.239,173 h0.8
  text "PTH" at 121.602,173 h0.8
  text "Round" at 128.4,173 h0.8
  text "Top Layer - Bottom Layer" at 138.237,173 h0.8
  text "Pad" at 158.265,173 h0.8
  text "Rounded" at 166.183,173 h0.8
  text "c180h100" at 176.18,173 h0.8
  text "-" at 191.409,173 h0.8
  text "-" at 205.971,173 h0.8
  text "3" at 98.341,171 h0.8
  text "1.300mm (51.18mil)" at 106.239,171 h0.8
  text "PTH" at 121.602,171 h0.8
  text "Round" at 128.4,171 h0.8
  text "Top Layer - Bottom Layer" at 138.237,171 h0.8
  text "Pad" at 158.265,171 h0.8
  text "(Mixed)" at 166.183,171 h0.8
  text "(Mixed)" at 176.18,171 h0.8
  text "-" at 191.409,171 h0.8
  text "-" at 205.971,171 h0.8
  text "4" at 98.341,169 h0.8
  text "2.375mm (93.50mil)" at 106.239,169 h0.8
  text "NPTH" at 121.602,169 h0.8
  text "Round" at 128.4,169 h0.8
  text "Top Layer - Bottom Layer" at 138.237,169 h0.8
  text "Pad" at 158.265,169 h0.8
  text "Rounded" at 166.183,169 h0.8
  text "c238hn238m258" at 176.18,169 h0.8
  text "-" at 191.409,169 h0.8
  text "-" at 205.971,169 h0.8
  text "11" at 98.341,167 h0.8
  text "1.200mm (47.24mil)" at 106.239,167 h0.8
  text "PTH" at 121.602,167 h0.8
  text "Round" at 128.4,167 h0.8
  text "Top Layer - Bottom Layer" at 138.237,167 h0.8
  text "Pad" at 158.265,167 h0.8
  text "(Mixed)" at 166.183,167 h0.8
  text "(Mixed)" at 176.18,167 h0.8
  text "-" at 191.409,167 h0.8
  text "-" at 205.971,167 h0.8
  text "25" at 98.341,165 h0.8
  text "0.900mm (35.43mil)" at 106.239,165 h0.8
  text "PTH" at 121.602,165 h0.8
  text "Round" at 128.4,165 h0.8
  text "Top Layer - Bottom Layer" at 138.237,165 h0.8
  text "Pad" at 158.265,165 h0.8
  text "(Mixed)" at 166.183,165 h0.8
  text "(Mixed)" at 176.18,165 h0.8
  text "-" at 191.409,165 h0.8
  text "-" at 205.971,165 h0.8
  text "73" at 98.341,163 h0.8
  text "0.300mm (11.81mil)" at 106.239,163 h0.8
  text "PTH" at 121.602,163 h0.8
  text "Round" at 128.4,163 h0.8
  text "Top Layer - Bottom Layer" at 138.237,163 h0.8
  text "Via" at 158.265,163 h0.8
  text "Rounded" at 166.183,163 h0.8
  text "v70h30m0mx50" at 176.18,163 h0.8
  text "-" at 191.409,163 h0.8
  text "-" at 205.971,163 h0.8
  text "132 Total" at 98.341,161 h0.8
  text "Slot definitions :" at 91.543,159.034 h0.8
  text "Routed Path Length" at 105.359,159.034 h0.8
  text "= Calculated from tool start centre position to tool end centre position." at 120.108,159.034 h0.8
  text "Hole Length" at 105.359,157.667 h0.8
  text "= Routed Path Length + Tool Size = Slot length as defined in the PCB layout" at 114.643,157.667 h0.8
Panel:
  lines w0.1: 68.5,135.25 68.5,135.25 ; 68.5,135.25 68.5,71.25 66.75,69.5 37.5,69.5 37.5,73.25 ccw(c34.25,73.25) 31,73.25 31,69.5 1.75,69.5 0,71.25 0,90.5 19.73,90.5 ccw(c19.73,91.77) 21,91.77 21,114.23 ccw(c19.73,114.23) 19.73,115.5 0,115.5 0,135.25 1.75,137 31,137 31,133.25 ccw(c34.25,133.25) 37.5,133.25 37.5,137 66.75,137 68.5,135.25 ; 139,65.75 137.25,67.5 108,67.5 108,63.75 cw(c104.75,63.75) 101.5,63.75 101.5,67.5 72.25,67.5 70.5,65.75 70.5,46 90.23,46 cw(c90.23,44.73) 91.5,44.73 91.5,22.27 cw(c90.23,22.27) 90.23,21 70.5,21 70.5,1.75 72.25,0 101.5,0 101.5,3.75 cw(c104.75,3.75) 108,3.75 108,0 137.25,0 139,1.75 139,65.75 ; 139,65.75 139,65.75 ; 139,135.25 137.25,137 108,137 108,133.25 cw(c104.75,133.25) 101.5,133.25 101.5,137 72.25,137 70.5,135.25 70.5,115.5 90.23,115.5 cw(c90.23,114.23) 91.5,114.23 91.5,91.77 cw(c90.23,91.77) 90.23,90.5 70.5,90.5 70.5,71.25 72.25,69.5 101.5,69.5 101.5,73.25 cw(c104.75,73.25) 108,73.25 108,69.5 137.25,69.5 139,71.25 139,135.25 ; 139,135.25 139,135.25
  lines w0.15: 139,1.75 149,11.75 149,55.75 139,65.75 ; 139,71.25 149,81.25 149,125.25 139,135.25
  lines w0.25: -17,68.5 -12,68.5 ; -13,67.5 -12,68.5 ; -13,69.5 -12,68.5 ; 68.5,137.5 69.5,136.5 ; 69.5,141.5 69.5,136.5 ; 70.5,137.5 69.5,136.5 ; 138,137.5 139,136.5 ; 139,141.5 139,136.5 ; 140,137.5 139,136.5
  text "add mousebites" at 69,163 h1.52 r270
  text "V-CUT" at 138,150.25 h1.52 r270
  text "DESIGN A" at 26.5,100 h4
  text "DESIGN A" at 97,100 h4
  text "add mousebites" at -38.5,68 h1.52
  text "DESIGN A" at 26.5,30.5 h4
  text "DESIGN A" at 97,30.5 h4

## Dimensions
1.75,137 to 1.75,69.5 on Mechanical 16
1.75,69.5 to 1.75,67.5 on Mechanical 16
139,1.75 to 149,1.75 on Mechanical 16
70.5,1.75 to 139,1.75 on Mechanical 16
70.5,1.75 to 68.5,1.75 on Mechanical 16
0,1.75 to 68.5,1.75 on Fabrication
1.75,67.5 to 1.75,0 on Fabrication

## Text inside footprints (layer, text, board x,y; h text height)
J1: Comments "PCB Edge" at 69.5,16.7 h0.61 r90
P1: Comments "IN" at 24,33.58 h0.8 r270
P4: Comments "IN" at 24,26.58 h0.8 r270
P5: Comments "IN" at 16.14,16.5 h0.8 r180
P6: Comments "IN" at 7.92,46.5 h0.8
P8: Comments "IN" at 24,37.08 h0.8 r270
P9: Comments "IN" at 11.06,16.5 h0.8 r180
P10: Comments "IN" at 24,44.08 h0.8 r270
P12: Top Overlay "1" at 27.7,59.15 h1.02 r270